# KiCad board eeg_hardware_v1.kicad_pcb (continued)
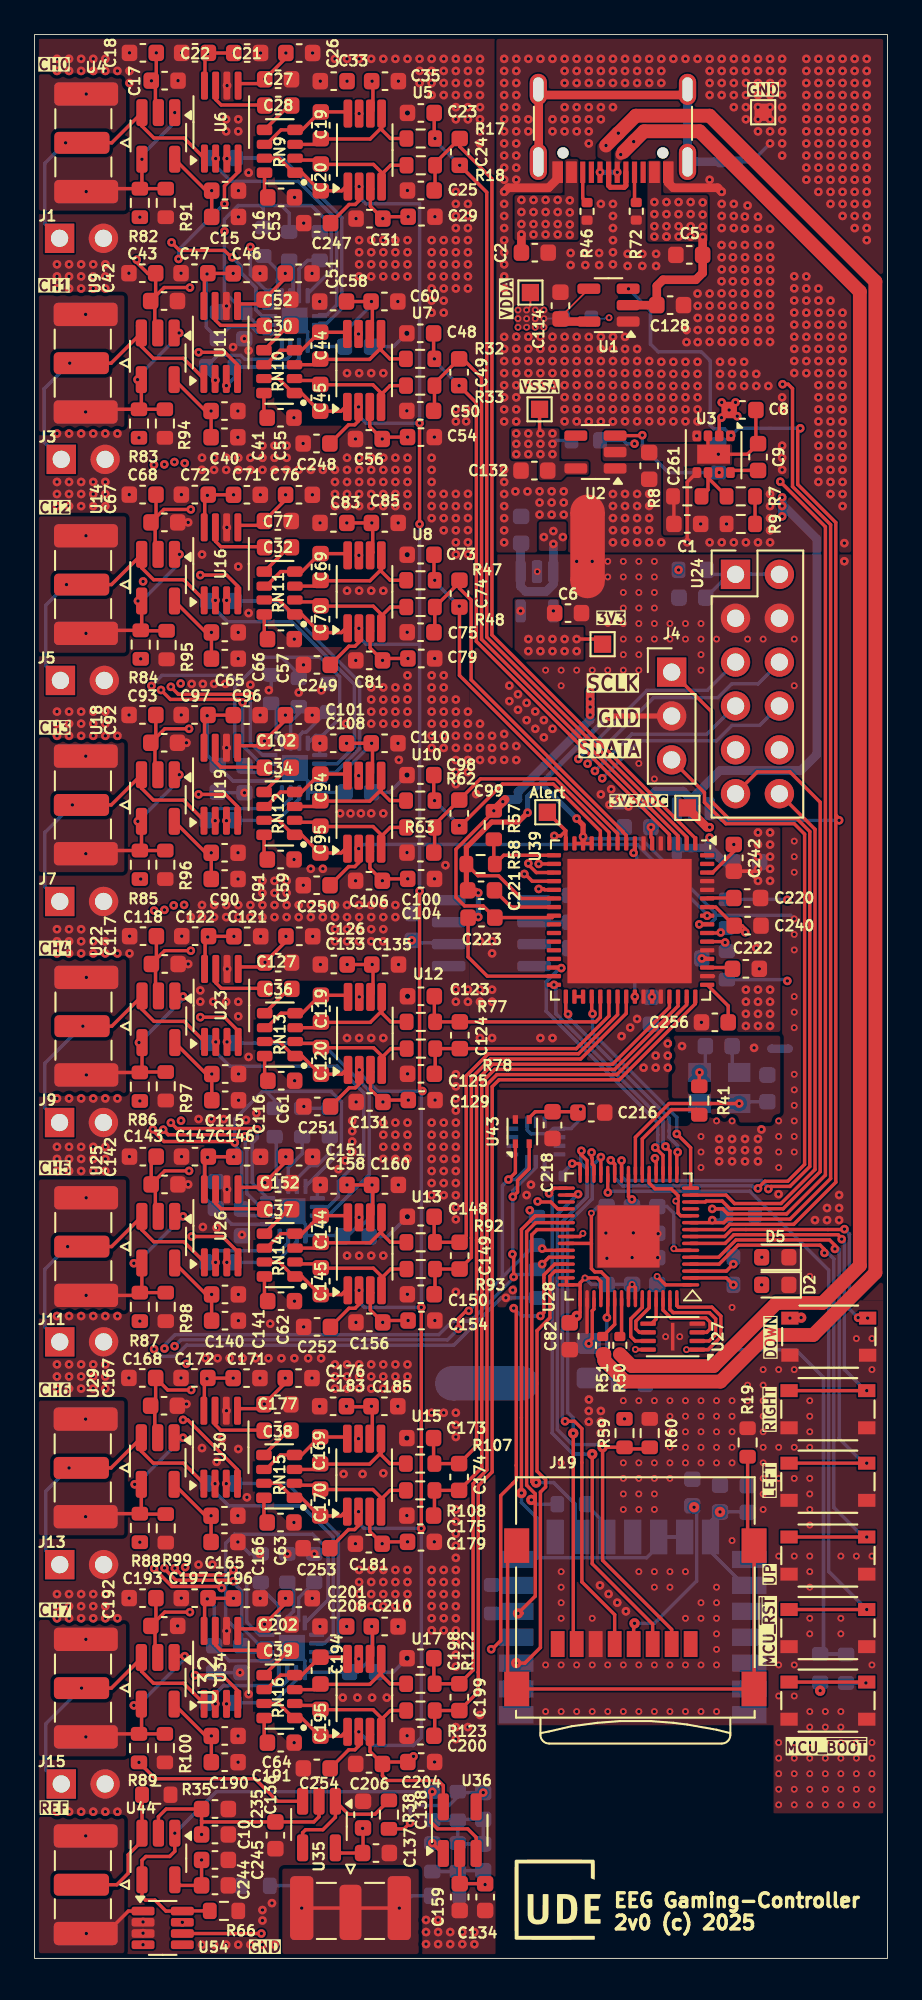
[diagram p0: board, top side]
## Routing (per net, layer and track width the routed paths; a pad name or vN(x,y) marks a point on that pad's centre or on a via; arc(x,y) is an arc through that point) (continued)
EN_PWR: length 79.3
  Top w0.2: U28.9 39.95,42.2 40.25,42.5 43.97,42.5 46.41,44.94 46.41,66.2 ; v1(46.6,65.9) 46.6,66.01 46.41,66.2 ; v1(44.35,88.6) 44.2,88.45 44.2,85.35 46.41,83.14 46.41,66.2 ; v1(34.4,96.68) 34.39,96.68 U1.3
  Bottom w0.2: v1(34.4,96.68) 35.67,95.4 35.67,93.48 36.12,93.03 38.62,93.03 39.12,92.53 39.12,88.78 39.33,88.58 39.95,88.58 v1(40.34,88.18) 40.77,88.6 v1(44.35,88.6) ; U31.3 39.78,65.9 v1(46.6,65.9)
EN_REF_ACTSHIELD: length 58.1
  Top w0.2: v1(29.3,37.2) 29.5,37.4 29.5,39.58 30.12,40.2 U28.42 ; v1(27.75,37.65) 27.9,37.5 27.9,28.55 27.9,28.55 27.9,27.7 27.7,27.5 27.7,27.5 27,26.79 27,18.4 26.5,17.9 v1(26.45,17.9) ; U54.6 v1(13.14,1.44)
  In2.Cu w0.2: 26.5,17.95 v1(26.45,17.9) 26.45,9.3 25.55,8.4 23.95,8.4 22.2,6.65 22.2,4 21.8,3.6 14.9,3.6 14.05,2.75 14.05,1.75 13.74,1.44 v1(13.14,1.44)
  Bottom w0.2: v1(29.3,37.2) 28.2,37.2 v1(27.75,37.65)
I2C_SCL: length 150.6
  Top w0.2: 11.4,98.5 11,98.9 8.4,98.9 v1(7.94,99.36) ; v1(27.75,39.46) 27.75,40.7 v1(27.68,40.78) ; v1(12.2,47.6) 12.11,47.69 7.74,47.69 v1(7.45,47.99) ; v1(11.52,21.84) 11.46,21.9 8.19,21.9 7.53,22.56 v1(7.53,22.61) ; v1(7.32,73.45) 7.87,72.9 11.87,72.9 v1(12.05,72.72) ; v1(27.7,44.1) 27.97,44.38 27.97,45.05 28.65,45.73 28.65,47.18 ; v1(29.4,40.2) 29.8,40.6 U28.41
  In1.Cu w0.2: v1(7.52,60.71) 7.33,60.9 7.33,73.44 v1(7.32,73.45) ; v1(7.52,86.51) 7.37,86.66 7.37,86.67 7.32,86.71 7.32,98.75 v1(7.94,99.36) ; v1(7.45,47.99) 7.4,47.93 7.4,35.44 v1(7.53,35.31)
  In2.Cu w0.2: v1(7.52,60.71) 7.52,60.62 7.4,60.5 7.4,48.04 v1(7.45,47.99) ; v1(7.53,22.61) 7.4,22.73 7.4,35.2 7.51,35.31 v1(7.53,35.31) ; v1(7.52,86.51) 7.34,86.34 7.34,73.47 v1(7.32,73.45)
  Bottom w0.2: v1(27.68,40.78) 27.72,40.73 ; U41.11 13.07,43.51 12.3,44.28 12.3,46.8 12.2,46.9 v1(12.2,47.6) ; 29.2,39.6 27.95,39.6 25.26,36.91 24.21,36.91 23.42,36.12 8.14,36.12 7.53,35.5 v1(7.53,35.31) ; v1(11.52,21.84) 11.52,21.76 12,21.28 12,19.17 12.94,18.24 U40.11 ; U38.11 13.19,95.09 12.83,95.45 12.83,96.74 11.96,97.61 11.96,97.99 v1(11.45,98.5) ; R71.1 v1(29.4,40.2) ; v1(12.05,72.72) 12.05,70.24 13.11,69.18 U42.11 ; U37.13 29.04,45.79 27.7,44.45 v1(27.7,44.1) 27.7,40.9
I2C_SDA: length 150
  Top w0.2: 30.3,41 U28.40 29.5,41 v1(29.4,41.1) ; v1(24.55,36.45) 24.55,37.05 25,37.5 v1(25.15,37.5) ; v1(12.9,48) 12.8,48 12.75,48.05 8.23,48.05 v1(7.9,48.39) ; v1(27.45,45.1) 27.85,45.5 27.85,47.18 ; v1(8.13,22.6) 8.52,22.2 11.23,22.2 v1(11.52,22.49) ; v1(12.51,73.11) 12.42,73.2 8.32,73.2 v1(7.89,73.63)
  In1.Cu w0.2: 7.64,61.4 v1(8.06,60.98) ; v1(7.89,73.63) 7.89,73.36 7.63,73.1 7.63,61.4 ; v1(8.1,86.65) 7.63,87.12 7.63,98.33 8.4,99.1 v1(12.5,99.1) ; v1(7.9,48.39) 7.9,48.38 7.9,47.75 7.7,47.55 7.7,35.86 v1(8.11,35.45) ; 8.13,22.57 v1(8.13,22.6)
  In2.Cu w0.2: v1(8.06,60.98) 8.06,60.62 7.7,60.25 7.7,48.58 v1(7.9,48.39) ; v1(8.11,35.45) 8.11,35.21 7.7,34.8 7.7,23.2 8.13,22.78 v1(8.13,22.6) ; v1(7.89,73.63) 7.65,73.88 7.65,85.75 8.1,86.2 v1(8.1,86.65)
  Bottom w0.2: v1(25.15,37.5) 26.98,39.32 ; 26.98,39.32 27.1,39.45 27.1,44.75 v1(27.45,45.1) 27.85,45.1 28.54,45.79 U37.14 ; 26.98,39.32 28.95,41.3 R74.1 29.2,41.3 v1(29.4,41.1) ; 13.47,18.73 13.03,18.73 12.3,19.46 12.3,21.7 11.52,22.48 v1(11.52,22.49) ; U42.12 13.21,69.68 12.5,70.38 12.5,73.1 v1(12.51,73.11) ; v1(8.11,35.45) 8.48,35.81 23.91,35.81 v1(24.55,36.45) ; v1(12.5,99.1) 12.5,97.49 13.38,96.6 13.76,96.6 13.76,95.81 13.63,95.69 ; v1(12.9,48) 12.9,47.5 12.6,47.2 12.6,44.92 U41.12
PWRA_GD_NEGATIVE: length 131.5
  Top w0.2: v1(43.19,85.51) 45.81,82.89 45.81,45.36 43.56,43.11 40.15,43.11 39.86,43.4 v1(39.25,43.4) ; U28.10 39.92,42.6 40.13,42.81 43.75,42.81 46.11,45.16 46.11,83.02 43.9,85.23 43.9,90.9 43.65,91.15 v1(43.33,91.15)
  In1.Cu w0.2: v1(43.19,85.51) 42.15,86.55 36.95,86.55 36.44,87.06 36.44,87.07 35.8,87.71 v1(34.75,87.71)
  In2.Cu w0.2: v1(43.33,91.15) 43.33,91.38 41.7,93 36.2,93 34.22,94.98 33.29,94.98 v2(33.28,95)
  Bottom w0.1: v2(33.28,95) 33.08,95 33.03,94.95 R5.2
  Bottom w0.2: v1(34.75,87.71) 34.74,87.7 34.3,87.7 34.1,87.9 R6.2 ; v1(39.25,43.4) 39.72,43.4 R67.2 39.78,42.75 v1(39.25,42.75)
SPI_MISO: length 69.1
  Top w0.2: v4(31.2,30.41) 31.2,18.4 J19.7 ; v1(29.2,61.93) 29.5,61.93 29.55,61.88 U39.21 ; v1(32.8,46.4) U28.27
  In2.Cu w0.2: v1(32.88,68.33) 32.67,68.33 32.64,68.31 32.43,68.31 29.65,65.53 29.65,62.59 29.2,62.14 v1(29.2,61.93) 28.55,61.27 28.55,50.84 31.85,47.54 32.06,47.54 32.71,46.89 32.71,46.48 32.67,46.43 32.7,46.4 v1(32.8,46.4)
  Bottom w0.2: v1(32.8,46.4) 32.3,45.9 32.3,45.83 32.3,45.82 32.3,43.98 30.88,42.55 30.88,31.62 31.2,31.3 31.2,30.42 31.2,30.42 v4(31.2,30.41) ; 43.14,72.54 42,71.4 40.4,71.4 39.5,70.5 35.05,70.5 v1(32.88,68.33)
SPI_MOSI: length 73.8
  Top w0.2: U39.20 28.83,62.38 28.4,62.8 28.38,62.8 v1(28.37,62.79) ; U28.31 30.1,44.6 v1(29.8,44.3) ; v4(32.3,29.2) 32.3,22.85 35.8,19.35 J19.3
  In2.Cu w0.2: v1(29.8,44.3) 30,44.5 30,48.03 27.65,50.38 27.65,61.86 28.37,62.58 v1(28.37,62.79) 28.15,63.01 28.15,64.88 32.01,68.73 32.01,68.94 32.03,68.97 v1(32.03,69.18)
  Bottom w0.2: v1(29.8,44.3) 29.98,44.12 29.98,30.42 31.2,29.2 31.8,29.2 v4(32.3,29.2) ; 43.14,75.08 43.14,75.04 41.9,73.8 40.37,73.8 39.57,73 35.85,73 v1(32.03,69.18)
SPI_SCLK: length 70.4
  Top w0.2: U39.19 29.06,62.88 28.6,63.34 v1(28.6,63.4) ; 31.7,28.7 31.7,30.67 31.28,31.1 v1(30.73,31.1) ; J19.5 33.6,17.75 33.6,19.9 31.7,21.8 31.7,28.7 ; v1(31.67,46.77) 31.64,46.74 31.64,46.56 32,46.2 U28.29
  In2.Cu w0.2: v1(31.67,46.77) 31.67,46.87 27.95,50.59 27.95,61.74 28.55,62.34 28.56,62.34 28.82,62.61 28.82,62.98 28.6,63.2 v1(28.6,63.4) 28.5,63.51 28.5,64.8 v1(32.46,68.76)
  Bottom w0.2: v1(31.67,46.77) 31.64,46.74 31.64,46.06 32,45.7 32,44.1 30.58,42.68 30.58,31.25 v1(30.73,31.1) ; 40.6,72.54 38.95,70.89 34.59,70.89 v1(32.46,68.76)
SPI_~{CS}_ADC: length 21.1
  Top w0.2: v1(29.2,63.38) U39.18 ; U28.28 32.4,45.9 32.3,46 32.3,46.32 32.26,46.36 v1(32.26,46.67)
  In2.Cu w0.2: v1(29.2,63.38) 29.2,62.56 28.75,62.11 28.75,62.11 28.68,62.04 28.68,62.04 28.25,61.61 28.25,50.72 31.73,47.24 31.94,47.24 32.26,46.91 v1(32.26,46.67)
SPI_~{CS}_SD: length 33.7
  Top w0.2: U28.32 31.44,44.2 31.48,44.24 v1(31.48,44.25) ; J19.2 36.9,19.05 32.9,23.05 v4(32.9,29.6) 34.16,29.6 R59.2 34.32,29.59 34.41,29.5 35.63,29.5
  Bottom w0.2: v1(31.48,44.25) 31.45,44.25 30.28,43.08 30.28,30.62 31.15,29.75 32.75,29.75 v4(32.9,29.6)
USB_+: length 92.3
  Top w0.2: v4(33.95,104.45) 34.1,104.6 ; v1(33.75,103.43) 33.75,103.5
  Top w0.8: 34.1,104.6 v4(34.7,105.2) 35.3,105.8 38.51,105.8 47.8,96.51 47.8,40.11 45.64,37.95 42.98,37.95 39.33,34.3 34.59,34.3 R50.2
  Bottom w0.3: v1(32.75,103.43) v1(33.75,103.43)
USB_-: length 99.6
  Top w0.3: J6.B7 34.25,102.65 34.15,102.55 33.35,102.55 33.25,102.65 J6.A7
  Top w0.8: R51.2 33,34.99 33,34.62 34.22,33.4 39.73,33.4 42.43,36.1 45.1,36.1 48.7,39.7 48.7,97.1 39.1,106.7 34.83,106.7 v4(33.81,105.69) v4(33.1,104.97)
USBC_VBUS: length 46.8
  Top w0.2: 31.04,99.76 v1(31,99.8) ; U3.2 39.66,89.09 v1(39.78,89.22) v1(40.23,89.66) ; 31.1,101.9 v1(31,101.8)
  Top w0.5: 36.61,99.69 v1(36.6,99.7) ; v1(38.7,99.68) 38.69,99.67 C5.1 38.69,97.61 38.7,97.6 38.3,97.2 36.4,97.2 36.04,96.84 C128.1 U1.2 ; C2.1 v1(28.2,99.82)
  Bottom w0.5: v1(43.3,84.1) v1(43.3,84.6) ; v1(43.3,84.1) v1(43.3,83.5) ; v1(43.3,84.1) 43.4,84.1 45.3,82.2 45.3,69.7 44.38,68.78 39.69,68.78 38.15,67.24 U31.2 38.15,67 37.56,67.59 35.96,67.59 C7.1 ; v1(30.05,81.9) U20.3 30.05,79.57 29.63,79.15 28.44,79.15 28.15,79.44 U20.1 28.15,81.92 C3.1
  vias: v1(28.2,101.82) v1(28.2,101.12) v1(28.2,100.42) v1(28.9,101.82) v1(28.9,101.12) v1(28.9,100.42) v1(28.9,99.82) v1(29.5,82.3) v1(29.6,101.82) v1(29.6,101.12) v1(29.6,100.42) v1(29.6,99.82) v1(30.05,82.65) v1(30.3,101.82) v1(30.3,101.12) v1(30.3,100.42) v1(30.3,99.82) v1(30.6,82.3) v1(31,101.1) v1(31,100.4) v1(35.9,101.7) v1(35.9,101) v1(35.9,100.3) v1(35.9,99.7) v1(36.6,101.7) v1(36.6,101) v1(36.6,100.3) v1(37.3,101.7) v1(37.3,101) v1(37.3,100.3) v1(37.3,99.7) v1(38,101.7) v1(38,101) v1(38,100.3) v1(38,99.7) v1(38.7,101.68) v1(38.7,100.98) v1(38.7,100.28) v1(39.8,90.1) v1(40.6,90.1) v1(40.7,89.3)
Net-(C28-Pad2): length 3.8
  Top w0.2: 10.5,108.44 10.5,107.63 10.81,107.32 13.34,107.32
Net-(C30-Pad2): length 3.8
  Top w0.2: 10.47,95.68 10.47,94.87 10.78,94.56 13.31,94.56
Net-(C32-Pad2): length 3.8
  Top w0.2: 10.49,82.86 10.49,82.05 10.8,81.74 13.33,81.74
Net-(C34-Pad2): length 3.8
  Top w0.2: 10.47,70.1 10.47,69.29 10.79,68.98 13.31,68.98
Net-(C36-Pad2): length 3.8
  Top w0.2: 10.51,57.29 10.51,56.48 10.82,56.17 13.35,56.17
Net-(C37-Pad2): length 3.8
  Top w0.2: 10.5,44.53 10.5,43.72 10.81,43.41 13.34,43.41
Net-(C38-Pad2): length 3.8
  Top w0.2: 10.47,31.71 10.47,30.9 10.78,30.59 13.31,30.59
Net-(C39-Pad2): length 3.8
  Top w0.2: 10.48,18.96 10.48,18.15 10.79,17.84 13.32,17.84
Net-(C89-Pad1): length 6.6
  Bottom w0.2: 40.6,80.16 43.14,80.16 ; 40.6,80.16 40.23,80.16 C89.1 38.88,78.7 ; 40.6,80.16 40.58,80.14 39.03,80.14 38.97,80.2
Net-(C111-Pad1): length 2.5
  Top w0.2: R41.1 38.5,51.29 v1(38.51,51.3)
  Bottom w0.2: v1(38.51,51.3) 38.85,51.64 C111.1
Net-(C139-Pad2): length 7.2
  Bottom w0.2: R53.1 24.51,6.68 24.56,6.62 C153.1 C139.2 24.56,8.05 R53.1 ; R53.1 R56.1
Net-(C153-Pad2): length 4.4
  Bottom w0.2: R55.1 24.56,5.08 25.99,5.08 ; R55.1 R61.1 ; R55.1 24.51,3.71 R65.2
Net-(D2-A):
  vias: v1(42.11,39)
Net-(D5-A):
  vias: v1(42.12,40.6)
Net-(J1-SIG): length 16.7
  Top w0.2: 1.79,105.13 v1(1.8,105.13) J1.1 4.47,105.13 U4.3 6.22,106.1 6.91,105.41 8.66,105.41 9.85,104.22
  Bottom w0.2: 1.79,105.13 0.6,103.94 0.6,100.45 J2.1
Net-(J3-SIG): length 17.2
  Top w0.2: U9.3 6.19,93.34 6.88,92.65 8.62,92.65 9.82,91.46 ; U9.3 4.44,92.37 J3.1 v1(2.04,92.37) ; U9.3 6.19,94.3 5.97,94.53
  Bottom w0.2: v1(2.04,92.37) 0.55,90.88 0.55,87.8 J8.1
Net-(J4-SCLK): length 49.4
  Top w0.2: v1(42.5,44.55) 42.65,44.7 43.75,44.7 44.9,45.85 44.9,65.25 44.15,66 40.2,66 39.2,67 39.2,72.2 36.92,74.48 J4.1 ; U28.24 v1(34,46.2) ; 37.58,73.8 J4.1 ; J4.1 37.35,74.03
  Bottom w0.2: v1(42.5,44.55) 42.5,44.62 42.09,45.04 34.25,45.04 34,45.29 v1(34,46.2)
Net-(J4-SDATA): length 42.8
  Top w0.2: v1(41.9,44.59) 41.9,44.6 42.3,45 43.63,45 44.6,45.98 44.6,65.1 44,65.7 40.04,65.7 38.8,66.94 38.8,67.5 J4.3 ; U28.25 33.6,45.99 v1(33.37,46.22)
  Bottom w0.2: v1(41.9,44.59) 41.72,44.59 41.58,44.73 34.07,44.73 33.6,45.2 33.6,45.99 v1(33.37,46.22)
Net-(J6-CC1): length 1.9
  Top w0.2: R72.1 34.75,101.78 J6.A5 34.7,103.38
Net-(J6-CC2): length 1.9
  Top w0.2: R46.1 31.75,101.92 J6.B5
Net-(J6-SHIELD): length 19.3
  Top w0.5: J6.S1 37.5,107.9 29.5,107.9 J6.S1 29.2,108.2 29.2,104.05 J6.S1 29,103.84
  Bottom w0.5: 39.53,104.04 37.83,104.04 J6.S1 J6.S1
Net-(J10-SIG): length 16.9
  Top w0.2: U14.3 4.46,79.55 J5.1 v1(1.85,79.55) ; U14.3 6.02,81.3 5.99,81.28 ; U14.3 6.21,80.52 6.9,79.83 8.64,79.83 9.84,78.64
  Bottom w0.2: J10.1 0.65,74.85 0.65,78.35 v1(1.85,79.55)
Net-(J11-SIG): length 17
  Top w0.2: 9.85,40.3 8.65,41.5 6.91,41.5 6.22,42.19 U25.3 ; U25.3 6.22,43.05 6.05,43.23 ; U25.3 4.47,41.22 J11.1 v1(1.92,41.22)
  Bottom w0.2: v1(1.92,41.22) 0.6,39.9 0.6,36.56 J16.1
Net-(J12-SIG): length 16.8
  Top w0.2: U18.3 4.45,66.79 J7.1 v1(2.19,66.79) ; U18.3 6.14,68.54 5.98,68.7 ; U18.3 6.19,67.76 6.89,67.07 8.63,67.07 9.83,65.88
  Bottom w0.2: v1(2.19,66.79) 0.6,65.2 0.6,62.06 J12.1
Net-(J13-SIG): length 16.9
  Top w0.2: U29.3 6.19,29.37 6.88,28.68 8.62,28.68 9.81,27.49 ; U29.3 4.44,28.4 J13.1 v1(2,28.4) ; U29.3 6.19,30.26 6.05,30.4
  Bottom w0.2: v1(2,28.4) 0.65,27.05 0.65,23.61 J18.1
Net-(J14-SIG): length 16.6
  Top w0.2: U22.3 6.23,54.95 6.92,54.26 8.67,54.26 9.86,53.07 ; U22.3 4.48,53.98 v1(2.8,53.98) J9.1 ; U22.3 6.23,55.85 6.05,56.03
  Bottom w0.2: J9.1 0.6,51.83 0.6,49.25 J14.1
Net-(J15-SIG): length 16.4
  Top w0.2: 6.2,17.4 4.45,15.65 v1(2.72,15.65) ; 6.2,17.4 6.2,17.43 6.05,17.58 ; 6.2,17.4 6.2,16.62 6.89,15.93 8.64,15.93 9.83,14.74
  Bottom w0.2: 1.46,10.1 0.65,10.91 0.65,13.58 v1(2.72,15.65)
Net-(J17-GND): length 3.9
  Top w0.2: U54.1 5.44,2.74 4.13,1.44 v1(3,1.44) J17.2
  vias: v1(2.97,7.09)
Net-(J17-SIG): length 7.9
  Top w0.2: R35.2 U44.3 6.22,6.8 5.42,6 5.42,4.93 4.77,4.27 J17.1
Net-(J19-SHIELD): length 36.1
  Top w0.2: J19.9 27.4,23.37 27.4,16.13 J19.9 J19.9 J19.9 41.3,24.28 R19.1
Net-(J21-GND): length 9.9
  Top w0.2: 21.21,3 v1(21.12,2.91) 18.55,2.91 J21.1 18.05,2.91 v1(15.47,2.91)
  Bottom w0.2: 13.53,4.22 15.08,4.22 15.1,4.2 15.35,4.2 ; v1(21.12,2.91) 21.84,3.62 R65.1
Net-(R7-Pad1): length 1.5
  Top w0.2: R7.1 41.73,83.16
Net-(R39-Pad2): length 5.7
  Top w0.2: S2.4 S2.3
  Bottom w0.2: R39.2 v1(48.15,15.95)
Net-(R61-Pad2): length 0.9
  Top w0.2: v1(23.04,6.68) 23.64,6.08 U36.1
Net-(RN9A-R1.1): length 5.9
  Top w0.2: RN9.1 15.49,103.4 16.54,102.35 17.78,102.35 18.05,102.62 ; RN9.1 15,103.4 14.16,104.24 RN9.7 ; RN9.1 15.09,103.36 ; 17.89,102.42 18.07,102.59
Net-(RN9A-R1.2): length 1.6
  Top w0.2: C53.1 13.32,102.16 RN9.8 13.22,103.3
Net-(RN9B-R2.1): length 8.4
  Top w0.2: R18.1 20.63,103.83 20.1,103.31 U5.4 20.1,103.41 19.63,103.88 16.64,103.88 ; 16.54,103.9 16.31,104.13 15.2,104.13 RN9.2
Net-(RN9C-R3.1): length 9
  Top w0.2: R17.1 20.62,105.38 20.1,105.9 U5.5 20.1,106.01 19.44,105.35 16.64,105.35 ; RN9.3 16.21,105.04 16.54,105.37 16.76,105.15
Net-(RN9C-R3.2): length 5.7
  Top w0.2: 18.05,106.84 17.97,106.92 16.54,106.92 15.5,105.88 RN9.4 14.27,105.88 13.43,105.04 RN9.6 ; 17.97,106.92 18.07,106.82
Net-(RN9D-R4.2): length 2.3
  Top w0.2: 13.29,105.85 RN9.5 ; RN9.5 14.76,107.32 14.89,107.32 ; RN9.5 13.24,105.96
Net-(RN10A-R1.1): length 5.9
  Top w0.2: RN10.1 15.06,90.6 ; RN10.1 15.46,90.64 16.51,89.59 17.75,89.59 18.02,89.86 ; RN10.1 14.97,90.64 14.13,91.48 RN10.7 ; 17.86,89.66 18.04,89.84
Net-(RN10A-R1.2): length 1.6
  Top w0.2: 13.19,90.54 RN10.8 13.29,89.4 C55.1
Net-(RN10B-R2.1): length 8.4
  Top w0.2: R33.1 20.59,91.07 20.07,90.55 U7.4 20.07,90.65 19.6,91.12 16.6,91.12 ; RN10.2 15.17,91.37 16.28,91.37 16.51,91.14
Net-(RN10C-R3.1): length 9
  Top w0.2: RN10.3 16.18,92.28 16.51,92.61 16.73,92.39 ; R32.1 20.58,92.62 20.07,93.14 U7.5 20.07,93.25 19.41,92.59 16.6,92.59
Net-(RN10C-R3.2): length 5.7
  Top w0.2: RN10.6 13.4,92.28 14.24,93.12 RN10.4 15.47,93.12 16.51,94.16 17.94,94.16 18.02,94.08 ; 17.94,94.16 18.04,94.06
Net-(RN10D-R4.2): length 2.3
  Top w0.2: 13.26,93.09 RN10.5 ; RN10.5 13.2,93.2 ; RN10.5 14.73,94.56 14.86,94.56
Net-(RN11A-R1.1): length 5.9
  Top w0.2: RN11.1 15.08,77.78 ; RN11.1 14.99,77.82 14.15,78.66 RN11.7 ; RN11.1 15.48,77.82 16.53,76.77 17.77,76.77 18.04,77.04 ; 17.88,76.84 18.06,77.02
Net-(RN11A-R1.2): length 1.6
  Top w0.2: 13.21,77.72 RN11.8 13.31,76.58 C57.1
Net-(RN11B-R2.1): length 8.4
  Top w0.2: RN11.2 15.19,78.55 16.3,78.55 16.53,78.32 ; R48.1 20.61,78.25 20.09,77.73 U8.4 20.09,77.83 19.62,78.3 16.62,78.3
Net-(RN11C-R3.1): length 9
  Top w0.2: 16.62,79.77 19.43,79.77 20.09,80.43 U8.5 20.09,80.31 20.6,79.8 R47.1 ; 16.75,79.57 16.53,79.79 16.2,79.46 RN11.3
Net-(RN11C-R3.2): length 5.7
  Top w0.2: 17.96,81.34 18.06,81.24 ; 18.04,81.26 17.96,81.34 16.53,81.34 15.49,80.3 RN11.4 14.26,80.3 13.42,79.46 RN11.6
Net-(RN11D-R4.2): length 2.3
  Top w0.2: RN11.5 14.75,81.74 14.88,81.74 ; RN11.5 13.22,80.38 ; RN11.5 13.28,80.27
Net-(RN12A-R1.1): length 5.9
  Top w0.2: 15.06,65.06 14.98,65.06 14.14,65.9 RN12.7 ; 15.06,65.06 15.06,65.02 ; 15.06,65.06 15.47,65.06 16.52,64.01 17.76,64.01 18.03,64.28 ; 17.86,64.08 18.05,64.26
Net-(RN12A-R1.2): length 1.6
  Top w0.2: 13.19,64.96 RN12.8 13.3,63.82 C59.1
Net-(RN12B-R2.1): length 8.4
  Top w0.2: 15.06,65.9 15.17,65.79 16.28,65.79 16.52,65.56 ; 16.61,65.54 19.61,65.54 20.08,65.07 U10.4 20.08,64.97 20.6,65.49 R63.1
Net-(RN12C-R3.1): length 9
  Top w0.2: 15.06,66.7 16.19,66.7 16.52,67.03 16.73,66.81 ; 16.61,67.01 19.42,67.01 20.08,67.67 U10.5 20.08,67.56 20.59,67.04 R62.1
Net-(RN12C-R3.2): length 5.7
  Top w0.2: 17.94,68.58 18.05,68.48 ; 18.03,68.5 17.95,68.58 16.52,68.58 15.47,67.54 14.25,67.54 13.41,66.7 RN12.6
Net-(RN12D-R4.2): length 2.3
  Top w0.2: 14.86,68.98 14.73,68.98 RN12.5 ; 13.27,67.51 RN12.5 ; RN12.5 13.21,67.62
Net-(RN13A-R1.1): length 5.9
  Top w0.2: RN13.1 15.1,52.21 ; RN13.1 15.01,52.25 14.17,53.09 RN13.7 ; RN13.1 15.5,52.25 16.55,51.2 17.79,51.2 18.06,51.47 ; 17.9,51.27 18.08,51.45
Net-(RN13A-R1.2): length 1.6
  Top w0.2: C61.1 13.33,51.01 RN13.8 13.23,52.15
Net-(RN13B-R2.1): length 8.4
  Top w0.2: RN13.2 15.21,52.98 16.32,52.98 16.55,52.75 ; 16.65,52.73 19.64,52.73 20.11,52.26 U12.4 20.11,52.16 20.63,52.68 R78.1
Net-(RN13C-R3.1): length 9
  Top w0.2: 16.77,54 16.55,54.22 16.22,53.89 RN13.3 ; R77.1 20.62,54.23 20.11,54.75 U12.5 20.11,54.86 19.45,54.2 16.65,54.2
Net-(RN13C-R3.2): length 5.7
  Top w0.2: 17.98,55.77 18.08,55.67 ; RN13.6 13.44,53.89 14.28,54.73 RN13.4 15.51,54.73 16.55,55.77 17.98,55.77 18.06,55.69
Net-(RN13D-R4.2): length 2.3
  Top w0.2: 14.9,56.17 14.77,56.17 RN13.5 ; 13.25,54.81 RN13.5 ; RN13.5 13.3,54.7
Net-(RN14A-R1.1): length 5.9
  Top w0.2: RN14.1 15,39.49 14.16,40.33 RN14.7 ; RN14.1 15.49,39.49 16.54,38.44 17.78,38.44 18.05,38.7 ; RN14.1 15.09,39.45 ; 17.89,38.5 18.07,38.68
Net-(RN14A-R1.2): length 1.6
  Top w0.2: C62.1 13.32,38.24 RN14.8 13.22,39.39
Net-(RN14B-R2.1): length 8.4
  Top w0.2: 16.54,39.99 16.31,40.22 15.2,40.22 RN14.2 ; 16.63,39.97 19.63,39.97 20.1,39.5 U13.4 20.1,39.39 20.62,39.92 R93.1
Net-(RN14C-R3.1): length 9
  Top w0.2: RN14.3 16.21,41.13 16.54,41.46 16.76,41.24 ; R92.1 20.61,41.47 20.1,41.98 U13.5 20.1,42.1 19.44,41.44 16.63,41.44
Net-(RN14C-R3.2): length 5.7
  Top w0.2: RN14.6 13.43,41.13 14.27,41.97 RN14.4 15.5,41.97 16.54,43.01 17.97,43.01 18.05,42.93 ; 17.97,43.01 18.07,42.91
Net-(RN14D-R4.2): length 2.3
  Top w0.2: RN14.5 14.76,43.41 14.89,43.41 ; RN14.5 13.29,41.94 ; RN14.5 13.23,42.05
Net-(RN15A-R1.1): length 5.9
  Top w0.2: RN15.1 15.06,26.63 ; RN15.1 15.45,26.67 16.5,25.62 17.75,25.62 18.02,25.89 ; RN15.1 14.97,26.67 14.13,27.51 RN15.7 ; 17.86,25.69 18.03,25.87
Net-(RN15A-R1.2): length 1.6
  Top w0.2: C63.1 13.28,25.43 RN15.8 13.19,26.57
Net-(RN15B-R2.1): length 8.4
  Top w0.2: 16.5,27.17 16.28,27.4 15.17,27.4 RN15.2 ; 16.6,27.15 19.59,27.15 20.07,26.68 U15.4 20.07,26.58 20.59,27.1 R108.1
Net-(RN15C-R3.1): length 9
  Top w0.2: RN15.3 16.17,28.31 16.5,28.64 16.72,28.42 ; R107.1 20.58,28.65 20.07,29.17 U15.5 20.07,29.28 19.41,28.62 16.6,28.62
Net-(RN15C-R3.2): length 5.7
  Top w0.2: 18.02,30.11 17.94,30.19 16.5,30.19 15.47,29.15 RN15.4 14.24,29.15 13.4,28.31 RN15.6 ; 17.94,30.19 18.03,30.09
Net-(RN15D-R4.2): length 2.3
  Top w0.2: RN15.5 14.72,30.59 14.86,30.59 ; RN15.5 13.25,29.12 ; RN15.5 13.2,29.23
Net-(RN16A-R1.1): length 5.9
  Top w0.2: RN16.1 14.98,13.92 14.14,14.76 RN16.7 ; RN16.1 15.47,13.92 16.52,12.87 17.77,12.87 18.03,13.14 ; RN16.1 15.07,13.88 ; 17.87,12.94 18.05,13.12
Net-(RN16A-R1.2): length 1.6
  Top w0.2: 13.2,13.82 RN16.8 13.3,12.68 C64.1
Net-(RN16B-R2.1): length 8.4
  Top w0.2: 16.62,14.4 19.61,14.4 20.08,13.93 U17.4 20.08,13.83 20.61,14.35 R123.1 ; RN16.2 15.18,14.65 16.29,14.65 16.52,14.42
Net-(RN16C-R3.1): length 9
  Top w0.2: R122.1 20.6,15.9 20.08,16.42 U17.5 20.08,16.53 19.42,15.87 16.62,15.87 ; RN16.3 16.19,15.56 16.52,15.89 16.74,15.67
Net-(RN16C-R3.2): length 5.7
  Top w0.2: 18.03,17.36 17.95,17.44 16.52,17.44 15.48,16.4 RN16.4 14.25,16.4 13.41,15.56 RN16.6 ; 17.95,17.44 18.05,17.34
Net-(RN16D-R4.2): length 2.3
  Top w0.2: 13.22,16.48 RN16.5 ; RN16.5 14.74,17.84 14.87,17.84 ; RN16.5 13.27,16.37
Net-(U2-EN): length 7.4
  Top w0.2: v1(39.66,86.03) 39.66,85.91 ; v1(35.2,88.2) 35.17,88.18 U2.3
  Bottom w0.2: R69.2 36.72,86.03 35.2,87.55 v1(35.2,88.2)
Net-(U3-FB): length 3.4
  Top w0.2: R7.2 39,85.74 U3.6 39,85.03 R8.1
Net-(U3-SS/TR): length 1.7
  Top w0.2: C9.1 40.43,86.16 U3.8
Net-(U21-SDO): length 1.4
  Bottom w0.2: U21.6 27.88,21.62 26.5,21.62
Net-(U21-~{IRQ}): length 2.4
  Bottom w0.2: U21.10 33.15,25.08 R37.1
Net-(U27-SCK): length 3.1
  Top w0.2: U28.56 35.6,37.67 34.83,36.9 34.83,36.45 35.03,36.25 35.73,36.25
Net-(U27-SI/IO0): length 1.6
  Top w0.2: U28.57 36,37.02 35.73,36.75
Net-(U27-SO/IO1): length 5.6
  Top w0.2: U28.59 36.8,37.58 36.99,37.39 39.09,37.39 39.45,37.03 39.45,36.13 39.07,35.75 U27.2
Net-(U27-~{CS}): length 33
  Top w0.2: U28.60 37.2,37.8 37.29,37.71 39.23,37.71 39.75,37.19 39.75,35.99 39.01,35.25 38.58,35.25 ; v2(37.76,35.25) U27.1
  Bottom w0.2: v2(37.76,35.25) 37.75,35.24 44.1,35.24 45.69,33.65 45.69,17.82 45.5,17.62 46.97,17.62 R39.1 47.2,17.4
Net-(U27-~{HOLD}/IO3): length 3.8
  Top w0.2: 35.73,35.75 34.79,35.75 34.53,36.01 34.53,37.03 35.2,37.7 U28.55
Net-(U27-~{WP}/IO2): length 4.7
  Top w0.2: 38.58,36.25 38.93,36.25 39.12,36.44 39.12,36.85 38.88,37.09 36.85,37.09 36.4,37.54 U28.58
Net-(U28-GPIO_00): length 2.6
  Top w0.2: U28.2 40.08,39.4 v1(40.47,39)
Net-(U28-GPIO_01): length 3
  Top w0.2: v1(40.47,40.2) 40.08,39.8 U28.3
  Bottom w0.2: R43.1 v1(40.47,40.2)
Net-(U28-RUN): length 40.8
  Top w0.2: v1(33.2,44.35) 33.2,44.35 U28.26 ; v4(48.2,20.2) S8.3
  Bottom w0.2: v1(33.2,44.35) 33.28,44.43 41.42,44.43 46,39.85 46,22.4 v4(48.2,20.2)
Net-(U28-USB_DM): length 2.5
  Top w0.2: U28.51 33.6,36.71 R51.1
Net-(U28-USB_DP): length 2.2
  Top w0.2: U28.52 34,36.11 R50.1
Net-(U28-VREG_LX): length 2.6
  Top w0.2: 32.1,35.7 32.3,35.9 32.3,37.5 32.4,37.6 U28.48
  vias: v1(32.1,35.6)
Net-(U28-XIN): length 6.3
  Top w0.2: U28.21 35.2,47.45 36.9,49.15 38.34,49.15 38.5,48.99 ; 38.35,49.15 38.5,49
Net-(U28-XOUT): length 11.7
  Top w0.2: 39.2,49.5 36.75,49.5 34.8,47.55 U28.22 ; v1(40.81,49.5) 38.1,49.5
  Bottom w0.2: v1(40.81,49.5) 40.91,49.6 C155.1
Net-(U35A--): length 7.8
  Top w0.2: R38.2 19.72,8.35 18.17,8.35 U35.1 17.42,8.18 16.7,7.45 15.7,7.45 15.53,7.28 U35.4
Net-(U36A--): length 8.1
  Top w0.2: U36.4 25.58,9.19 v1(25.99,9.6) ; R38.1 21.4,7.5 v1(21.75,7.85)
  Bottom w0.2: v1(21.75,7.85) 21.75,8.58 22.03,8.85 24,8.85 24.51,9.36 R53.2 ; R53.2 24.56,9.6 v1(25.99,9.6) ; R53.2 24.42,9.65
Net-(U37-CSB): length 0.7
  Bottom w0.2: 29.69,45.22 29.54,45.37 29.54,45.89
Net-(U38-ADR0): length 2.6
  Bottom w0.2: 14.32,96.37 14.07,96.62 14.07,97.75 R10.2
Net-(U38-ADR1): length 2.1
  Bottom w0.2: R21.2 14.97,98.1 14.97,96.53 14.82,96.37
Net-(U38-INDEP): length 2.8
  Bottom w0.2: 15.32,96.37 15.32,97.82 15.83,98.33 R22.2
Net-(U39-AREG1CAP): length 1.6
  Top w0.2: U39.59 38.98,61.4 C220.1
Net-(U39-AREG2CAP): length 1.5
  Top w0.2: C222.1 40.35,57.38 U39.51
Net-(U39-CONVST_SAR): length 5.1
  Top w0.2: R57.2 26.6,63.43 R58.1 27.17,63.88 U39.17
Net-(U39-DREGCAP): length 3.9
  Top w0.2: C221.1 27.61,60.88 U39.23
Net-(U39-FORMAT0): length 1.3
  Top w0.2: v1(39.74,59.4) 39.71,59.38 U39.55
  Bottom w0.2: 40.1,59.68 39.83,59.4 v1(39.74,59.4)
Net-(U39-FORMAT1): length 1.6
  Top w0.2: U39.54 39.95,58.88 v1(40,58.83)
  Bottom w0.2: R31.2 40,58.43 v1(40,58.83)
Net-(U39-REF1+): length 12.6
  Top w0.2: v1(34.7,64.02) 34.77,64.09 U39.8
  Bottom w0.2: C243.2 34.88,60.73 34.88,63.83 v1(34.7,64.02) ; C243.2 34.77,59.48 v1(34.77,55.69) ; C243.2 34.15,60 C14.2 R54.2
Net-(U39-REF_OUT): length 2.7
  Top w0.2: U39.49 40.17,55.16 C256.2
Net-(U39-~{SYNC_IN}): length 0.5
  Top w0.2: U39.34 U39.35
Net-(U40-ADR0): length 2.8
  Bottom w0.2: 14.16,19.42 14.16,20.4 13.1,21.46 R11.2
Net-(U40-ADR1): length 2.7
  Bottom w0.2: 14.64,19.43 14.66,19.42 14.66,19.76 15,20.1 15,21.42 R23.2
Net-(U40-INDEP): length 2.8
  Bottom w0.2: R24.2 15.3,20.88 15.3,19.57 15.16,19.42
Net-(U41-ADR0): length 3
  Bottom w0.2: U41.13 14,44.89 14,47.48 R29.2
Net-(U41-ADR1): length 3.2
  Bottom w0.2: R30.2 15.5,46.6 14.69,45.79 U41.14
Net-(U41-INDEP): length 3.9
  Bottom w0.2: R34.2 17.1,46.64 16.36,45.9 15.96,45.9 15.19,45.14 U41.15
Net-(U42-ADR0): length 2.6
  Bottom w0.2: R26.2 14,72.38 14,70.7 U42.13
Net-(U42-ADR1): length 2.3
  Bottom w0.2: U42.14 14.83,71.61 15.3,72.08 R27.2
Net-(U42-INDEP): length 2.7
  Bottom w0.2: U42.15 15.33,70.8 15.53,71 15.73,71 16.9,72.18 17,72.18
Net-(U45-OUT): length 3.6
  Bottom w0.2: R54.1 31,58.55 C237.1 28.94,60

## Copper pours and planes (outline as drawn; the poured copper is in the pictures)
+3V3 on Top, Bottom: 26.8,38.2 28,39.3 28,37.7 26.8,37.7
+3V3 on Top, Bottom: 27.8,78.7 30.4,78.7 30.4,77.1 31.8,77.1 31.8,75.2 28.4,75.2 27.8,75.8
+3V3 on In1.Cu: 50.8,81.3 26.8,81.3 26.8,76.7 35.9,67.6 43.3,67.6 43.3,50.3 26.8,50.3 26.8,8.4 50.8,8.4
+3V3 on In2.Cu: 51.3,81.3 26.8,81.3 26.8,76.7 35.9,67.6 43.3,67.6 43.3,50.3 26.8,50.3 26.8,8.4 51.3,8.4
/MCU/GND_QRZ on Top, Bottom, In1.Cu, In2.Cu: 36.91,53.44 43.19,53.44 43.19,48.4 36.91,48.4
/Power/VSS_UNBUF on Top: 40.4,87.7 32.9,87.7 32.9,86.7 36.4,86.7 36.4,82.4 37.6,82.4 37.6,86.4 40.4,86.4
GND on Top, Bottom, In1.Cu, In2.Cu: 26.75,111.8 50.3,111.8 50.3,81.4 26.75,81.4
GNDA on Top, Bottom: 25.2,50.4 43.2,50.4 43.2,67.5 35.9,67.5 25.2,78.2
GNDA on Top, Bottom: 26.7,114.4 26.7,-7.84 -13,-7.84 -13,114.4
GNDA on In2.Cu: 26.7,50.4 43.2,50.4 43.2,67.5 35.9,67.5 26.7,76.7
GNDD on Top, Bottom: 26.8,8.4 50.3,8.4 50.3,81.3 26.8,81.3 26.8,76.7 35.9,67.6 43.3,67.6 43.3,50.3 26.8,50.3
GNDD on Top, Bottom, In1.Cu, In2.Cu: 32.5,102.5 34.5,102.5 34.5,104.3 35.5,105.3 38.3,105.3 47.3,96.3 47.3,38.1 49.3,38.1 49.3,97.2 39.3,107.2 34.5,107.2 32.5,105.2
VDDA on Top: 32.8,95.2 32.8,94.4 29.9,94.4 29.9,94.2 27.7,94.2 27.7,95.7 29.85,95.7 30.05,95.5 30.85,95.5 31.15,95.2
VDDA on In1.Cu: -16,117.43 26.7,117.43 26.7,-10.81 -16,-10.81
VDDA on In1.Cu: 43.2,50.4 43.2,67.5 35.9,67.5 24.4,79 24.4,50.4
VDDA on In1.Cu: 25.7,95.7 25.7,93.5 26.7,93.5 26.7,94.2 29.7,94.2 29.7,95.7
VSSA on Top: 32.1,85.9 30.8,85.9 30.5,85.6 29.2,85.6 29.2,86.8 27.6,86.8 27.6,88.6 30.4,88.6 30.4,86.7 32.1,86.7
VSSA on In2.Cu: -19,120.49 26.7,120.49 26.7,-13.75 -19,-13.75
VSSA on In2.Cu: 30.4,88.6 30.4,86.8 26.7,86.8 26.7,85.7 23.6,85.7 23.6,88.6
/EEG Frontend CH0/ELEC_FB on Top: 5.3,109.1 5.3,101.2 -0.4,101.2 -0.4,109.1
/EEG Frontend CH1/ELEC_FB on Top: 5.2,96.3 5.2,88.4 -0.4,88.4 -0.4,96.3
/EEG Frontend CH2/ELEC_FB on Top: -0.3,83.5 5.3,83.5 5.3,75.6 -0.3,75.6
/EEG Frontend CH3/ELEC_FB on Top: 5.2,62.9 -0.3,62.9 -0.3,70.7 5.2,70.7
/EEG Frontend CH4/ELEC_FB on Top: 5.3,57.9 5.3,50.1 -0.3,50.1 -0.3,57.9
/EEG Frontend CH5/ELEC_FB on Top: 5.3,45.1 5.3,37.25 -0.3,37.25 -0.3,45.1
/EEG Frontend CH6/ELEC_FB on Top: 5.2,32.3 5.2,24.5 -0.3,24.5 -0.3,32.3
/EEG Frontend CH7/ELEC_FB on Top: 5.3,19.6 5.3,11.7 -0.3,11.7 -0.3,19.6
/MCU/BUTTON_DWN on In2.Cu: 43.2,37.5 43.2,36.7 48.8,36.7 48.8,37.5
USB_+ on Top, Bottom, In1.Cu, In2.Cu: 33.6,102.8 33.9,102.8 33.9,103.9 35.15,105.15 34.6,105.7 33.6,104.6
USB_- on Top, Bottom, In1.Cu, In2.Cu: 33.1,102.8 33.4,102.8 33.4,104.7 34.2,105.5 33.6,106.1 32.6,105 32.6,104.3 33.1,104.05
USBC_VBUS on Top: 30.7,104.2 31.5,104.2 31.5,99.5 27.8,99.5 27.8,102.1 30.7,102.1
USBC_VBUS on Top: 36.3,104.1 35.5,104.1 35.5,99.4 39,99.4 39,102.1 36.3,102.1
USBC_VBUS on Top, Bottom: 29.2,83.2 30.8,83.2 30.8,81.5 29.2,81.5
USBC_VBUS on Bottom: 39.1,102.1 39.1,99.4 27.8,99.5 27.8,102.1
USBC_VBUS on In1.Cu: 43.7,111.9 43.7,81.4 26.75,81.4 26.75,111.9
Net-(J17-GND) on Top: 5.2,8.2 5.2,0.3 -0.3,0.3 -0.3,8.2
Net-(J21-GND) on Top, Bottom: 14.35,5.2 22.25,5.2 22.25,-0.3 14.35,-0.3

## Text on the board
F.Silkscreen: CH0 | CH1 | CH2 | CH3 | CH4 | CH5 | CH6 | CH7 | REF | GND | SCLK | SDATA | EEG Gaming-Controller / 2v0 (c) 2025
